# KiCad board pmic_panel.kicad_pcb
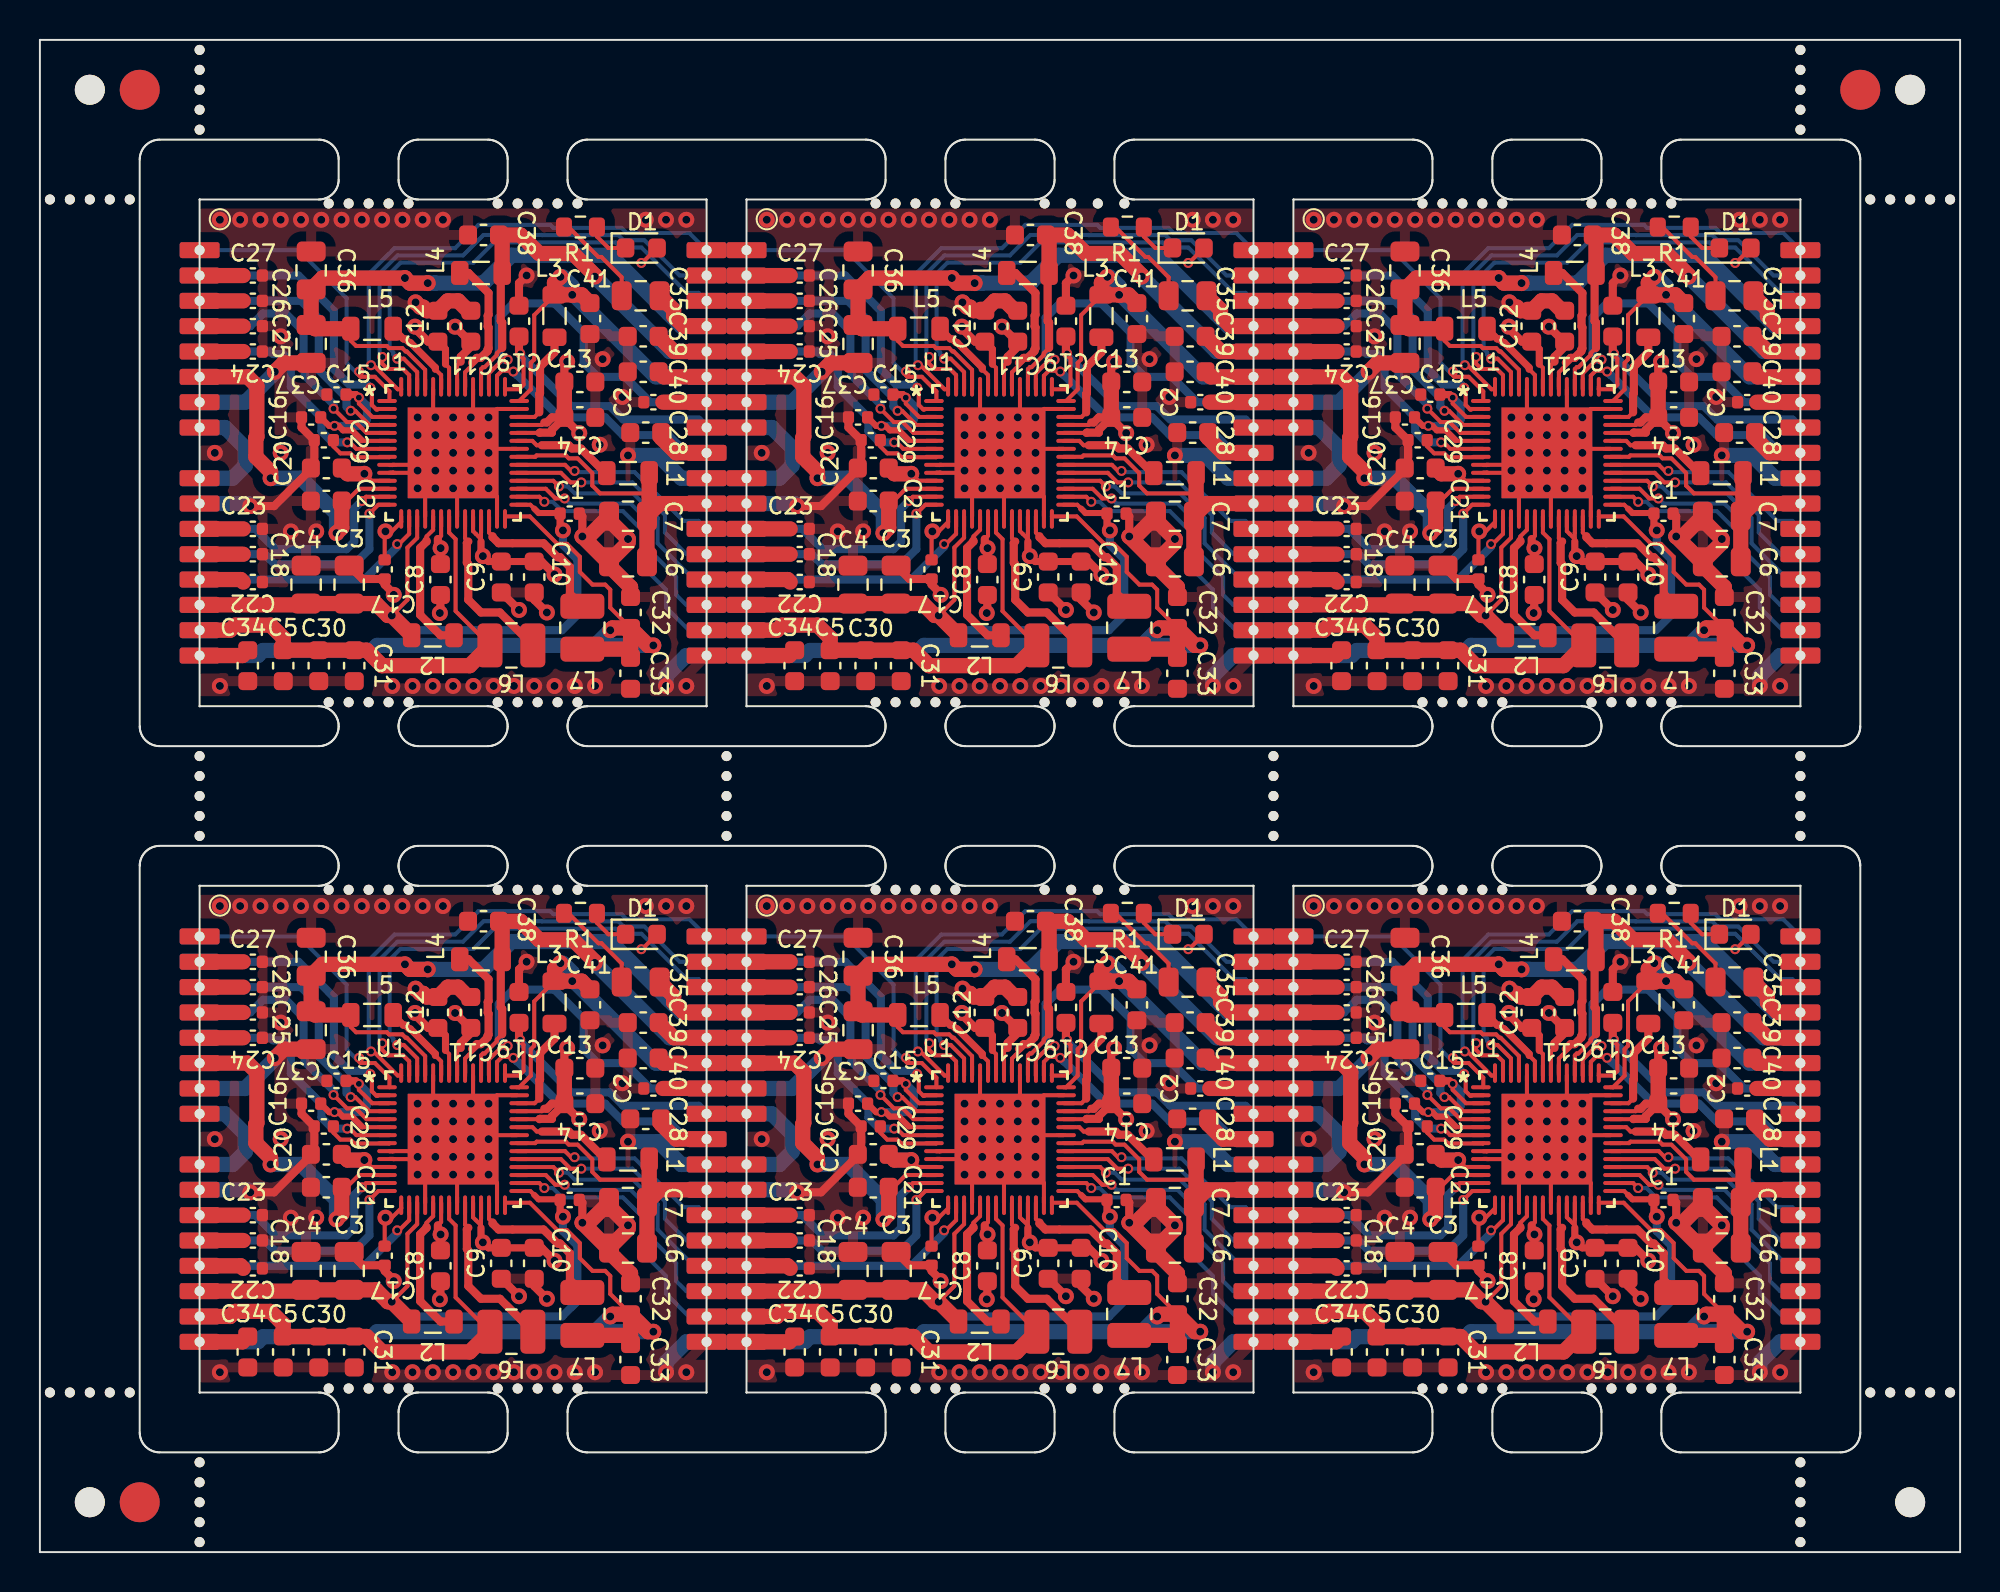
[diagram p0: board, top side]
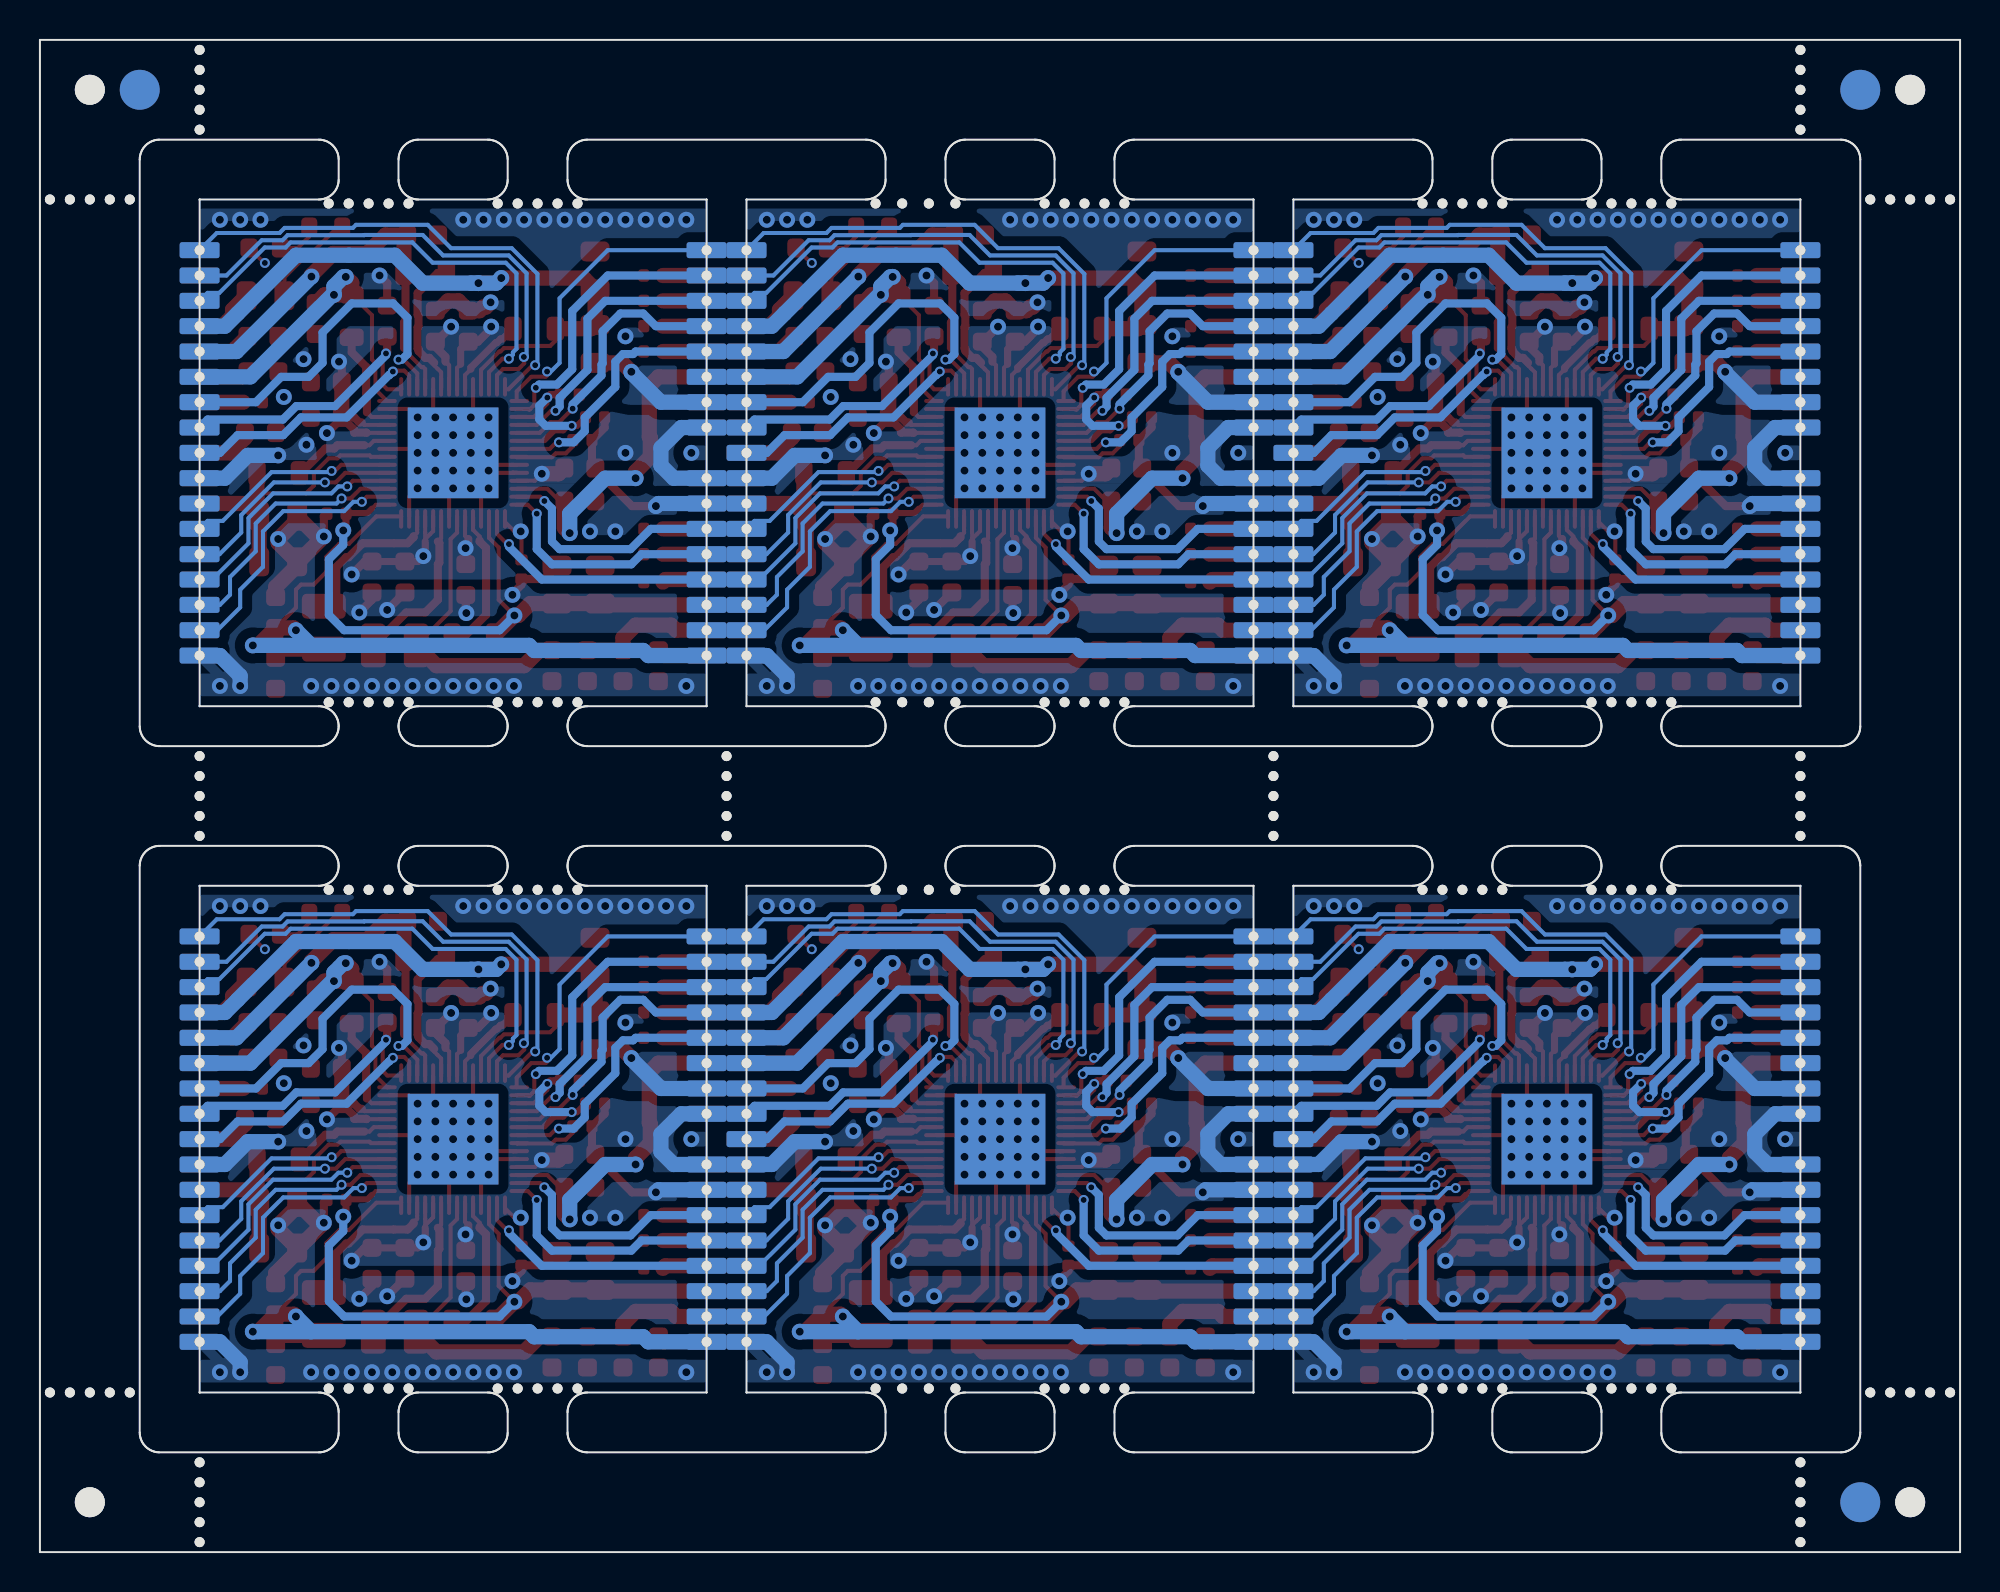
[diagram p1: board, bottom side, seen from below]

Outline 96.2 x 75.8 mm; copper layers: Top, In1.Cu, In2.Cu, Bottom. Coordinates in mm from the lower left corner of the outline.
Stack: Top 0.035mm / dielectric 0.1mm FR4 er 4.5 / In1.Cu 0.035mm / dielectric 1.24mm FR4 er 4.5 / In2.Cu 0.035mm / dielectric 0.1mm FR4 er 4.5 / Bottom 0.035mm

## Placement (name value [footprint] x y rotation side)
C1  100n  [C_0402_1005Metric]  81.34 17.65 0 top
C1#2  100n  [C_0402_1005Metric]  26.54 17.65 0 top
C1#3  100n  [C_0402_1005Metric]  53.94 52.05 0 top
C1#4  100n  [C_0402_1005Metric]  53.94 17.65 0 top
C1#5  100n  [C_0402_1005Metric]  26.54 52.05 0 top
C1#6  100n  [C_0402_1005Metric]  81.34 52.05 0 top
C2  1u/25V  [C_0402_1005Metric]  30.73 57.64 180 top
C2#2  1u/25V  [C_0402_1005Metric]  30.73 23.24 180 top
C2#3  1u/25V  [C_0402_1005Metric]  85.53 57.64 180 top
C2#4  1u/25V  [C_0402_1005Metric]  85.53 23.24 180 top
C2#5  1u/25V  [C_0402_1005Metric]  58.13 57.64 180 top
C2#6  1u/25V  [C_0402_1005Metric]  58.13 23.24 180 top
C3  22u  [C_0805_2012Metric]  70.29 48.5 90 top
C3#2  22u  [C_0805_2012Metric]  15.49 14.1 90 top
C3#3  22u  [C_0805_2012Metric]  70.29 14.1 90 top
C3#4  22u  [C_0805_2012Metric]  42.89 48.5 90 top
C3#5  22u  [C_0805_2012Metric]  15.49 48.5 90 top
C3#6  22u  [C_0805_2012Metric]  42.89 14.1 90 top
C4  22u  [C_0805_2012Metric]  13.33 48.5 90 top
C4#2  22u  [C_0805_2012Metric]  40.73 48.5 90 top
C4#3  22u  [C_0805_2012Metric]  68.13 48.5 90 top
C4#4  22u  [C_0805_2012Metric]  40.73 14.1 90 top
C4#5  22u  [C_0805_2012Metric]  68.13 14.1 90 top
C4#6  22u  [C_0805_2012Metric]  13.33 14.1 90 top
C5  22u/6.3V  [C_0603_1608Metric]  12.19 44.43 270 top
C5#2  22u/6.3V  [C_0603_1608Metric]  39.59 44.43 270 top
C5#3  22u/6.3V  [C_0603_1608Metric]  66.99 44.43 270 top
C5#4  22u/6.3V  [C_0603_1608Metric]  39.59 10.03 270 top
C5#5  22u/6.3V  [C_0603_1608Metric]  12.19 10.03 270 top
C5#6  22u/6.3V  [C_0603_1608Metric]  66.99 10.03 270 top
C6  22u  [C_0805_2012Metric]  84.26 15.24 180 top
C6#2  22u  [C_0805_2012Metric]  56.86 15.24 180 top
C6#3  22u  [C_0805_2012Metric]  29.46 49.64 180 top
C6#4  22u  [C_0805_2012Metric]  29.46 15.24 180 top
C6#5  22u  [C_0805_2012Metric]  84.26 49.64 180 top
C6#6  22u  [C_0805_2012Metric]  56.86 49.64 180 top
C7  22u  [C_0805_2012Metric]  84.26 17.52 180 top
C7#2  22u  [C_0805_2012Metric]  56.86 51.92 180 top
C7#3  22u  [C_0805_2012Metric]  84.26 51.92 180 top
C7#4  22u  [C_0805_2012Metric]  56.86 17.52 180 top
C7#5  22u  [C_0805_2012Metric]  29.46 17.52 180 top
C7#6  22u  [C_0805_2012Metric]  29.46 51.92 180 top
C8  10u/10V  [C_0603_1608Metric]  74.86 48.75 270 top
C8#2  10u/10V  [C_0603_1608Metric]  20.06 48.75 270 top
C8#3  10u/10V  [C_0603_1608Metric]  74.86 14.35 270 top
C8#4  10u/10V  [C_0603_1608Metric]  20.06 14.35 270 top
C8#5  10u/10V  [C_0603_1608Metric]  47.47 14.35 270 top
C8#6  10u/10V  [C_0603_1608Metric]  47.47 48.75 270 top
C9  10u/10V  [C_0603_1608Metric]  77.91 48.88 270 top
C9#2  10u/10V  [C_0603_1608Metric]  23.11 48.88 270 top
C9#3  10u/10V  [C_0603_1608Metric]  23.11 14.48 270 top
C9#4  10u/10V  [C_0603_1608Metric]  50.51 14.48 270 top
C9#5  10u/10V  [C_0603_1608Metric]  50.51 48.88 270 top
C9#6  10u/10V  [C_0603_1608Metric]  77.91 14.48 270 top
C10  10u/10V  [C_0603_1608Metric]  52.16 14.48 270 top
C10#2  10u/10V  [C_0603_1608Metric]  24.76 48.88 270 top
C10#3  10u/10V  [C_0603_1608Metric]  52.16 48.88 270 top
C10#4  10u/10V  [C_0603_1608Metric]  79.56 48.88 270 top
C10#5  10u/10V  [C_0603_1608Metric]  24.76 14.48 270 top
C10#6  10u/10V  [C_0603_1608Metric]  79.56 14.48 270 top
C11  10u/10V  [C_0603_1608Metric]  76.39 61.45 90 top
C11#2  10u/10V  [C_0603_1608Metric]  21.59 61.45 90 top
C11#3  10u/10V  [C_0603_1608Metric]  76.39 27.05 90 top
C11#4  10u/10V  [C_0603_1608Metric]  21.59 27.05 90 top
C11#5  10u/10V  [C_0603_1608Metric]  48.99 61.45 90 top
C11#6  10u/10V  [C_0603_1608Metric]  48.99 27.05 90 top
C12  10u/10V  [C_0603_1608Metric]  74.74 61.45 90 top
C12#2  10u/10V  [C_0603_1608Metric]  74.74 27.05 90 top
C12#3  10u/10V  [C_0603_1608Metric]  47.34 27.05 90 top
C12#4  10u/10V  [C_0603_1608Metric]  19.94 27.05 90 top
C12#5  10u/10V  [C_0603_1608Metric]  47.34 61.45 90 top
C12#6  10u/10V  [C_0603_1608Metric]  19.94 61.45 90 top
C13  10u/10V  [C_0603_1608Metric]  27.05 58.66 0 top
C13#2  10u/10V  [C_0603_1608Metric]  81.85 58.66 0 top
C13#3  10u/10V  [C_0603_1608Metric]  81.85 24.26 0 top
C13#4  10u/10V  [C_0603_1608Metric]  54.45 58.66 0 top
C13#5  10u/10V  [C_0603_1608Metric]  27.05 24.26 0 top
C13#6  10u/10V  [C_0603_1608Metric]  54.45 24.26 0 top
C14  10u/10V  [C_0603_1608Metric]  81.85 56.88 0 top
C14#2  10u/10V  [C_0603_1608Metric]  27.05 56.88 0 top
C14#3  10u/10V  [C_0603_1608Metric]  54.45 22.48 0 top
C14#4  10u/10V  [C_0603_1608Metric]  54.45 56.88 0 top
C14#5  10u/10V  [C_0603_1608Metric]  27.05 22.48 0 top
C14#6  10u/10V  [C_0603_1608Metric]  81.85 22.48 0 top
C15  1u/25V  [C_0402_1005Metric]  42.26 23.62 180 top
C15#2  1u/25V  [C_0402_1005Metric]  69.66 58.02 180 top
C15#3  1u/25V  [C_0402_1005Metric]  69.66 23.62 180 top
C15#4  1u/25V  [C_0402_1005Metric]  42.26 58.02 180 top
C15#5  1u/25V  [C_0402_1005Metric]  14.86 58.02 180 top
C15#6  1u/25V  [C_0402_1005Metric]  14.86 23.62 180 top
C16  1u/25V  [C_0402_1005Metric]  40.99 22.48 180 top
C16#2  1u/25V  [C_0402_1005Metric]  68.39 22.48 180 top
C16#3  1u/25V  [C_0402_1005Metric]  40.99 56.88 180 top
C16#4  1u/25V  [C_0402_1005Metric]  13.59 22.48 180 top
C16#5  1u/25V  [C_0402_1005Metric]  68.39 56.88 180 top
C16#6  1u/25V  [C_0402_1005Metric]  13.59 56.88 180 top
C17  1u/25V  [C_0402_1005Metric]  44.67 49.26 270 top
C17#2  1u/25V  [C_0402_1005Metric]  72.07 49.26 270 top
C17#3  1u/25V  [C_0402_1005Metric]  17.27 49.26 270 top
C17#4  1u/25V  [C_0402_1005Metric]  44.67 14.86 270 top
C17#5  1u/25V  [C_0402_1005Metric]  72.07 14.86 270 top
C17#6  1u/25V  [C_0402_1005Metric]  17.27 14.86 270 top
C18  4.7u/6.3V  [C_0402_1005Metric]  65.47 15.62 0 top
C18#2  4.7u/6.3V  [C_0402_1005Metric]  38.07 15.62 0 top
C18#3  4.7u/6.3V  [C_0402_1005Metric]  10.67 15.62 0 top
C18#4  4.7u/6.3V  [C_0402_1005Metric]  10.67 50.02 0 top
C18#5  4.7u/6.3V  [C_0402_1005Metric]  38.07 50.02 0 top
C18#6  4.7u/6.3V  [C_0402_1005Metric]  65.47 50.02 0 top
C19  10u/10V  [C_0603_1608Metric]  51.4 61.7 90 top
C19#2  10u/10V  [C_0603_1608Metric]  24 61.7 90 top
C19#3  10u/10V  [C_0603_1608Metric]  78.8 61.7 90 top
C19#4  10u/10V  [C_0603_1608Metric]  78.8 27.3 90 top
C19#5  10u/10V  [C_0603_1608Metric]  24 27.3 90 top
C19#6  10u/10V  [C_0603_1608Metric]  51.4 27.3 90 top
C20  4.7u/10V  [C_0603_1608Metric]  69.15 19.94 180 top
C20#2  4.7u/10V  [C_0603_1608Metric]  41.75 19.94 180 top
C20#3  4.7u/10V  [C_0603_1608Metric]  14.35 19.94 180 top
C20#4  4.7u/10V  [C_0603_1608Metric]  41.75 54.34 180 top
C20#5  4.7u/10V  [C_0603_1608Metric]  14.35 54.34 180 top
C20#6  4.7u/10V  [C_0603_1608Metric]  69.15 54.34 180 top
C21  4.7u/10V  [C_0603_1608Metric]  69.15 52.69 180 top
C21#2  4.7u/10V  [C_0603_1608Metric]  14.35 18.29 180 top
C21#3  4.7u/10V  [C_0603_1608Metric]  41.75 18.29 180 top
C21#4  4.7u/10V  [C_0603_1608Metric]  14.35 52.69 180 top
C21#5  4.7u/10V  [C_0603_1608Metric]  69.15 18.29 180 top
C21#6  4.7u/10V  [C_0603_1608Metric]  41.75 52.69 180 top
C22  4.7u/6.3V  [C_0402_1005Metric]  38.07 48.62 0 top
C22#2  4.7u/6.3V  [C_0402_1005Metric]  65.47 14.22 0 top
C22#3  4.7u/6.3V  [C_0402_1005Metric]  10.67 14.22 0 top
C22#4  4.7u/6.3V  [C_0402_1005Metric]  38.07 14.22 0 top
C22#5  4.7u/6.3V  [C_0402_1005Metric]  65.47 48.62 0 top
C22#6  4.7u/6.3V  [C_0402_1005Metric]  10.67 48.62 0 top
C23  4.7u/6.3V  [C_0402_1005Metric]  10.67 51.29 0 top
C23#2  4.7u/6.3V  [C_0402_1005Metric]  65.47 51.29 0 top
C23#3  4.7u/6.3V  [C_0402_1005Metric]  38.07 51.29 0 top
C23#4  4.7u/6.3V  [C_0402_1005Metric]  10.67 16.89 0 top
C23#5  4.7u/6.3V  [C_0402_1005Metric]  65.47 16.89 0 top
C23#6  4.7u/6.3V  [C_0402_1005Metric]  38.07 16.89 0 top
C24  4.7u/6.3V  [C_0402_1005Metric]  10.67 25.78 0 top
C24#2  4.7u/6.3V  [C_0402_1005Metric]  65.47 60.18 0 top
C24#3  4.7u/6.3V  [C_0402_1005Metric]  65.47 25.78 0 top
C24#4  4.7u/6.3V  [C_0402_1005Metric]  38.07 60.18 0 top
C24#5  4.7u/6.3V  [C_0402_1005Metric]  10.67 60.18 0 top
C24#6  4.7u/6.3V  [C_0402_1005Metric]  38.07 25.78 0 top
C25  4.7u/6.3V  [C_0402_1005Metric]  10.67 27.05 0 top
C25#2  4.7u/6.3V  [C_0402_1005Metric]  65.47 27.05 0 top
C25#3  4.7u/6.3V  [C_0402_1005Metric]  38.07 61.45 0 top
C25#4  4.7u/6.3V  [C_0402_1005Metric]  10.67 61.45 0 top
C25#5  4.7u/6.3V  [C_0402_1005Metric]  38.07 27.05 0 top
C25#6  4.7u/6.3V  [C_0402_1005Metric]  65.47 61.45 0 top
C26  4.7u/6.3V  [C_0402_1005Metric]  65.47 62.72 0 top
C26#2  4.7u/6.3V  [C_0402_1005Metric]  38.07 28.32 0 top
C26#3  4.7u/6.3V  [C_0402_1005Metric]  10.67 62.72 0 top
C26#4  4.7u/6.3V  [C_0402_1005Metric]  65.47 28.32 0 top
C26#5  4.7u/6.3V  [C_0402_1005Metric]  10.67 28.32 0 top
C26#6  4.7u/6.3V  [C_0402_1005Metric]  38.07 62.72 0 top
C27  4.7u/6.3V  [C_0402_1005Metric]  10.67 29.59 0 top
C27#2  4.7u/6.3V  [C_0402_1005Metric]  65.47 29.59 0 top
C27#3  4.7u/6.3V  [C_0402_1005Metric]  38.07 29.59 0 top
C27#4  4.7u/6.3V  [C_0402_1005Metric]  10.67 63.99 0 top
C27#5  4.7u/6.3V  [C_0402_1005Metric]  65.47 63.99 0 top
C27#6  4.7u/6.3V  [C_0402_1005Metric]  38.07 63.99 0 top
C28  10u/10V  [C_0603_1608Metric]  30.35 56.12 180 top
C28#2  10u/10V  [C_0603_1608Metric]  85.15 56.12 180 top
C28#3  10u/10V  [C_0603_1608Metric]  57.75 21.72 180 top
C28#4  10u/10V  [C_0603_1608Metric]  57.75 56.12 180 top
C28#5  10u/10V  [C_0603_1608Metric]  30.35 21.72 180 top
C28#6  10u/10V  [C_0603_1608Metric]  85.15 21.72 180 top
C29  4.7u/6.3V  [C_0402_1005Metric]  14.22 21.33 180 top
C29#2  4.7u/6.3V  [C_0402_1005Metric]  69.02 21.33 180 top
C29#3  4.7u/6.3V  [C_0402_1005Metric]  14.22 55.73 180 top
C29#4  4.7u/6.3V  [C_0402_1005Metric]  41.62 55.73 180 top
C29#5  4.7u/6.3V  [C_0402_1005Metric]  69.02 55.73 180 top
C29#6  4.7u/6.3V  [C_0402_1005Metric]  41.62 21.33 180 top
C30  22u/6.3V  [C_0603_1608Metric]  68.77 44.43 270 top
C30#2  22u/6.3V  [C_0603_1608Metric]  13.97 44.43 270 top
C30#3  22u/6.3V  [C_0603_1608Metric]  41.37 44.43 270 top
C30#4  22u/6.3V  [C_0603_1608Metric]  13.97 10.03 270 top
C30#5  22u/6.3V  [C_0603_1608Metric]  68.77 10.03 270 top
C30#6  22u/6.3V  [C_0603_1608Metric]  41.37 10.03 270 top
C31  22u/6.3V  [C_0603_1608Metric]  70.55 10.03 270 top
C31#2  22u/6.3V  [C_0603_1608Metric]  43.15 44.43 270 top
C31#3  22u/6.3V  [C_0603_1608Metric]  15.75 44.43 270 top
C31#4  22u/6.3V  [C_0603_1608Metric]  15.75 10.03 270 top
C31#5  22u/6.3V  [C_0603_1608Metric]  43.15 10.03 270 top
C31#6  22u/6.3V  [C_0603_1608Metric]  70.55 44.43 270 top
C32  22u/6.3V  [C_0603_1608Metric]  29.59 47.1 90 top
C32#2  22u/6.3V  [C_0603_1608Metric]  56.99 12.7 90 top
C32#3  22u/6.3V  [C_0603_1608Metric]  56.99 47.1 90 top
C32#4  22u/6.3V  [C_0603_1608Metric]  29.59 12.7 90 top
C32#5  22u/6.3V  [C_0603_1608Metric]  84.39 12.7 90 top
C32#6  22u/6.3V  [C_0603_1608Metric]  84.39 47.1 90 top
C33  22u/6.3V  [C_0603_1608Metric]  84.39 44.05 270 top
C33#2  22u/6.3V  [C_0603_1608Metric]  84.39 9.65 270 top
C33#3  22u/6.3V  [C_0603_1608Metric]  56.99 9.65 270 top
C33#4  22u/6.3V  [C_0603_1608Metric]  29.59 9.65 270 top
C33#5  22u/6.3V  [C_0603_1608Metric]  29.59 44.05 270 top
C33#6  22u/6.3V  [C_0603_1608Metric]  56.99 44.05 270 top
C34  22u/6.3V  [C_0603_1608Metric]  10.41 44.43 270 top
C34#2  22u/6.3V  [C_0603_1608Metric]  65.21 44.43 270 top
C34#3  22u/6.3V  [C_0603_1608Metric]  10.41 10.03 270 top
C34#4  22u/6.3V  [C_0603_1608Metric]  37.81 10.03 270 top
C34#5  22u/6.3V  [C_0603_1608Metric]  65.21 10.03 270 top
C34#6  22u/6.3V  [C_0603_1608Metric]  37.81 44.43 270 top
C35  22u  [C_0805_2012Metric]  30.1 28.57 180 top
C35#2  22u  [C_0805_2012Metric]  57.5 62.97 180 top
C35#3  22u  [C_0805_2012Metric]  57.5 28.57 180 top
C35#4  22u  [C_0805_2012Metric]  30.1 62.97 180 top
C35#5  22u  [C_0805_2012Metric]  84.9 62.97 180 top
C35#6  22u  [C_0805_2012Metric]  84.9 28.57 180 top
C36  22u  [C_0805_2012Metric]  40.99 29.84 90 top
C36#2  22u  [C_0805_2012Metric]  68.39 64.24 90 top
C36#3  22u  [C_0805_2012Metric]  13.59 64.24 90 top
C36#4  22u  [C_0805_2012Metric]  13.59 29.84 90 top
C36#5  22u  [C_0805_2012Metric]  68.39 29.84 90 top
C36#6  22u  [C_0805_2012Metric]  40.99 64.24 90 top
C37  22u  [C_0805_2012Metric]  68.39 60.56 270 top
C37#2  22u  [C_0805_2012Metric]  68.39 26.16 270 top
C37#3  22u  [C_0805_2012Metric]  13.59 60.56 270 top
C37#4  22u  [C_0805_2012Metric]  13.59 26.16 270 top
C37#5  22u  [C_0805_2012Metric]  40.99 60.56 270 top
C37#6  22u  [C_0805_2012Metric]  40.99 26.16 270 top
C38  22u/6.3V  [C_0603_1608Metric]  22.22 66.02 180 top
C38#2  22u/6.3V  [C_0603_1608Metric]  77.02 31.62 180 top
C38#3  22u/6.3V  [C_0603_1608Metric]  49.62 31.62 180 top
C38#4  22u/6.3V  [C_0603_1608Metric]  49.62 66.02 180 top
C38#5  22u/6.3V  [C_0603_1608Metric]  22.22 31.62 180 top
C38#6  22u/6.3V  [C_0603_1608Metric]  77.02 66.02 180 top
C39  22u/6.3V  [C_0603_1608Metric]  85.03 60.94 180 top
C39#2  22u/6.3V  [C_0603_1608Metric]  57.62 60.94 180 top
C39#3  22u/6.3V  [C_0603_1608Metric]  57.62 26.54 180 top
C39#4  22u/6.3V  [C_0603_1608Metric]  85.03 26.54 180 top
C39#5  22u/6.3V  [C_0603_1608Metric]  30.22 26.54 180 top
C39#6  22u/6.3V  [C_0603_1608Metric]  30.22 60.94 180 top
C40  22u/6.3V  [C_0603_1608Metric]  30.22 24.76 180 top
C40#2  22u/6.3V  [C_0603_1608Metric]  85.03 24.76 180 top
C40#3  22u/6.3V  [C_0603_1608Metric]  57.62 24.76 180 top
C40#4  22u/6.3V  [C_0603_1608Metric]  85.03 59.16 180 top
C40#5  22u/6.3V  [C_0603_1608Metric]  30.22 59.16 180 top
C40#6  22u/6.3V  [C_0603_1608Metric]  57.62 59.16 180 top
C41  22u/6.3V  [C_0603_1608Metric]  27.56 27.43 270 top
C41#2  22u/6.3V  [C_0603_1608Metric]  27.56 61.83 270 top
C41#3  22u/6.3V  [C_0603_1608Metric]  54.96 61.83 270 top
C41#4  22u/6.3V  [C_0603_1608Metric]  82.36 27.43 270 top
C41#5  22u/6.3V  [C_0603_1608Metric]  54.96 27.43 270 top
C41#6  22u/6.3V  [C_0603_1608Metric]  82.36 61.83 270 top
D1  LED  [LED_0603_1608Metric]  30.13 65.37 0 top
D1#2  LED  [LED_0603_1608Metric]  84.93 30.97 0 top
D1#3  LED  [LED_0603_1608Metric]  57.53 30.97 0 top
D1#4  LED  [LED_0603_1608Metric]  84.93 65.37 0 top
D1#5  LED  [LED_0603_1608Metric]  30.13 30.97 0 top
D1#6  LED  [LED_0603_1608Metric]  57.53 65.37 0 top
KiKit_FID_B_1  -  [Fiducial]  5 73.3 180 bottom
KiKit_FID_B_2  -  [Fiducial]  91.2 73.3 180 bottom
KiKit_FID_B_3  -  [Fiducial]  5 2.5 180 bottom
KiKit_FID_T_1  -  [Fiducial]  5 73.3 0 top
KiKit_FID_T_2  -  [Fiducial]  91.2 73.3 0 top
KiKit_FID_T_3  -  [Fiducial]  5 2.5 0 top
KiKit_MB_1_1  -  [NPTH]  14.47 67.6 0 top
KiKit_MB_1_2  -  [NPTH]  15.47 67.6 0 top
KiKit_MB_1_3  -  [NPTH]  16.47 67.6 0 top
KiKit_MB_1_4  -  [NPTH]  17.47 67.6 0 top
KiKit_MB_1_5  -  [NPTH]  18.47 67.6 0 top
KiKit_MB_2_1  -  [NPTH]  22.93 67.6 0 top
KiKit_MB_2_2  -  [NPTH]  23.93 67.6 0 top
KiKit_MB_2_3  -  [NPTH]  24.93 67.6 0 top
KiKit_MB_2_4  -  [NPTH]  25.93 67.6 0 top
KiKit_MB_2_5  -  [NPTH]  26.93 67.6 0 top
KiKit_MB_3_1  -  [NPTH]  18.47 42.6 0 top
KiKit_MB_3_2  -  [NPTH]  17.47 42.6 0 top
KiKit_MB_3_3  -  [NPTH]  16.47 42.6 0 top
KiKit_MB_3_4  -  [NPTH]  15.47 42.6 0 top
KiKit_MB_3_5  -  [NPTH]  14.47 42.6 0 top
KiKit_MB_4_1  -  [NPTH]  26.93 42.6 0 top
KiKit_MB_4_2  -  [NPTH]  25.93 42.6 0 top
KiKit_MB_4_3  -  [NPTH]  24.93 42.6 0 top
KiKit_MB_4_4  -  [NPTH]  23.93 42.6 0 top
KiKit_MB_4_5  -  [NPTH]  22.93 42.6 0 top
KiKit_MB_5_1  -  [NPTH]  41.87 67.6 0 top
KiKit_MB_5_2  -  [NPTH]  42.87 67.6 0 top
KiKit_MB_5_3  -  [NPTH]  43.87 67.6 0 top
KiKit_MB_5_4  -  [NPTH]  44.87 67.6 0 top
KiKit_MB_5_5  -  [NPTH]  45.87 67.6 0 top
KiKit_MB_6_1  -  [NPTH]  50.33 67.6 0 top
KiKit_MB_6_2  -  [NPTH]  51.67 67.6 0 top
KiKit_MB_6_3  -  [NPTH]  53 67.6 0 top
KiKit_MB_6_4  -  [NPTH]  54.33 67.6 0 top
KiKit_MB_7_1  -  [NPTH]  45.87 42.6 0 top
KiKit_MB_7_2  -  [NPTH]  44.87 42.6 0 top
KiKit_MB_7_3  -  [NPTH]  43.87 42.6 0 top
KiKit_MB_7_4  -  [NPTH]  42.87 42.6 0 top
KiKit_MB_7_5  -  [NPTH]  41.87 42.6 0 top
KiKit_MB_8_1  -  [NPTH]  54.33 42.6 0 top
KiKit_MB_8_2  -  [NPTH]  53 42.6 0 top
KiKit_MB_8_3  -  [NPTH]  51.67 42.6 0 top
KiKit_MB_8_4  -  [NPTH]  50.33 42.6 0 top
KiKit_MB_9_1  -  [NPTH]  69.27 67.6 0 top
KiKit_MB_9_2  -  [NPTH]  70.27 67.6 0 top
KiKit_MB_9_3  -  [NPTH]  71.27 67.6 0 top
KiKit_MB_9_4  -  [NPTH]  72.27 67.6 0 top
KiKit_MB_9_5  -  [NPTH]  73.27 67.6 0 top
KiKit_MB_10_1  -  [NPTH]  77.73 67.6 0 top
KiKit_MB_10_2  -  [NPTH]  78.73 67.6 0 top
KiKit_MB_10_3  -  [NPTH]  79.73 67.6 0 top
KiKit_MB_10_4  -  [NPTH]  80.73 67.6 0 top
KiKit_MB_10_5  -  [NPTH]  81.73 67.6 0 top
KiKit_MB_11_1  -  [NPTH]  73.27 42.6 0 top
KiKit_MB_11_2  -  [NPTH]  72.27 42.6 0 top
KiKit_MB_11_3  -  [NPTH]  71.27 42.6 0 top
KiKit_MB_11_4  -  [NPTH]  70.27 42.6 0 top
KiKit_MB_11_5  -  [NPTH]  69.27 42.6 0 top
KiKit_MB_12_1  -  [NPTH]  81.73 42.6 0 top
KiKit_MB_12_2  -  [NPTH]  80.73 42.6 0 top
KiKit_MB_12_3  -  [NPTH]  79.73 42.6 0 top
KiKit_MB_12_4  -  [NPTH]  78.73 42.6 0 top
KiKit_MB_12_5  -  [NPTH]  77.73 42.6 0 top
KiKit_MB_13_1  -  [NPTH]  14.47 33.2 0 top
KiKit_MB_13_2  -  [NPTH]  15.47 33.2 0 top
KiKit_MB_13_3  -  [NPTH]  16.47 33.2 0 top
KiKit_MB_13_4  -  [NPTH]  17.47 33.2 0 top
KiKit_MB_13_5  -  [NPTH]  18.47 33.2 0 top
KiKit_MB_14_1  -  [NPTH]  22.93 33.2 0 top
KiKit_MB_14_2  -  [NPTH]  23.93 33.2 0 top
KiKit_MB_14_3  -  [NPTH]  24.93 33.2 0 top
KiKit_MB_14_4  -  [NPTH]  25.93 33.2 0 top
KiKit_MB_14_5  -  [NPTH]  26.93 33.2 0 top
KiKit_MB_15_1  -  [NPTH]  18.47 8.2 0 top
KiKit_MB_15_2  -  [NPTH]  17.47 8.2 0 top
KiKit_MB_15_3  -  [NPTH]  16.47 8.2 0 top
KiKit_MB_15_4  -  [NPTH]  15.47 8.2 0 top
KiKit_MB_15_5  -  [NPTH]  14.47 8.2 0 top
KiKit_MB_16_1  -  [NPTH]  26.93 8.2 0 top
KiKit_MB_16_2  -  [NPTH]  25.93 8.2 0 top
KiKit_MB_16_3  -  [NPTH]  24.93 8.2 0 top
KiKit_MB_16_4  -  [NPTH]  23.93 8.2 0 top
KiKit_MB_16_5  -  [NPTH]  22.93 8.2 0 top
KiKit_MB_17_1  -  [NPTH]  41.87 33.2 0 top
KiKit_MB_17_2  -  [NPTH]  42.87 33.2 0 top
KiKit_MB_17_3  -  [NPTH]  43.87 33.2 0 top
KiKit_MB_17_4  -  [NPTH]  44.87 33.2 0 top
KiKit_MB_17_5  -  [NPTH]  45.87 33.2 0 top
KiKit_MB_18_1  -  [NPTH]  50.33 33.2 0 top
KiKit_MB_18_2  -  [NPTH]  51.67 33.2 0 top
KiKit_MB_18_3  -  [NPTH]  53 33.2 0 top
KiKit_MB_18_4  -  [NPTH]  54.33 33.2 0 top
KiKit_MB_19_1  -  [NPTH]  45.87 8.2 0 top
KiKit_MB_19_2  -  [NPTH]  44.87 8.2 0 top
KiKit_MB_19_3  -  [NPTH]  43.87 8.2 0 top
KiKit_MB_19_4  -  [NPTH]  42.87 8.2 0 top
KiKit_MB_19_5  -  [NPTH]  41.87 8.2 0 top
KiKit_MB_20_1  -  [NPTH]  54.33 8.2 0 top
KiKit_MB_20_2  -  [NPTH]  53 8.2 0 top
KiKit_MB_20_3  -  [NPTH]  51.67 8.2 0 top
KiKit_MB_20_4  -  [NPTH]  50.33 8.2 0 top
KiKit_MB_21_1  -  [NPTH]  69.27 33.2 0 top
KiKit_MB_21_2  -  [NPTH]  70.27 33.2 0 top
KiKit_MB_21_3  -  [NPTH]  71.27 33.2 0 top
KiKit_MB_21_4  -  [NPTH]  72.27 33.2 0 top
KiKit_MB_21_5  -  [NPTH]  73.27 33.2 0 top
KiKit_MB_22_1  -  [NPTH]  77.73 33.2 0 top
KiKit_MB_22_2  -  [NPTH]  78.73 33.2 0 top
KiKit_MB_22_3  -  [NPTH]  79.73 33.2 0 top
KiKit_MB_22_4  -  [NPTH]  80.73 33.2 0 top
KiKit_MB_22_5  -  [NPTH]  81.73 33.2 0 top
KiKit_MB_23_1  -  [NPTH]  73.27 8.2 0 top
KiKit_MB_23_2  -  [NPTH]  72.27 8.2 0 top
KiKit_MB_23_3  -  [NPTH]  71.27 8.2 0 top
KiKit_MB_23_4  -  [NPTH]  70.27 8.2 0 top
KiKit_MB_23_5  -  [NPTH]  69.27 8.2 0 top
KiKit_MB_24_1  -  [NPTH]  81.73 8.2 0 top
KiKit_MB_24_2  -  [NPTH]  80.73 8.2 0 top